# Altium PCB apt_battery_bms.PcbDoc (part 1 of 3)
Units mm, origin at the board's own origin, x right, y up, seen from the top; angles counter-clockwise.
Board outline 304.8 x 243.84 mm, 2 copper layers (Top Layer, Bottom Layer), stack 1.57 mm thick; 324 components, 194 nets, 1522 pads, 4 vias.
Unrouted connection lines stored in the file: 482.
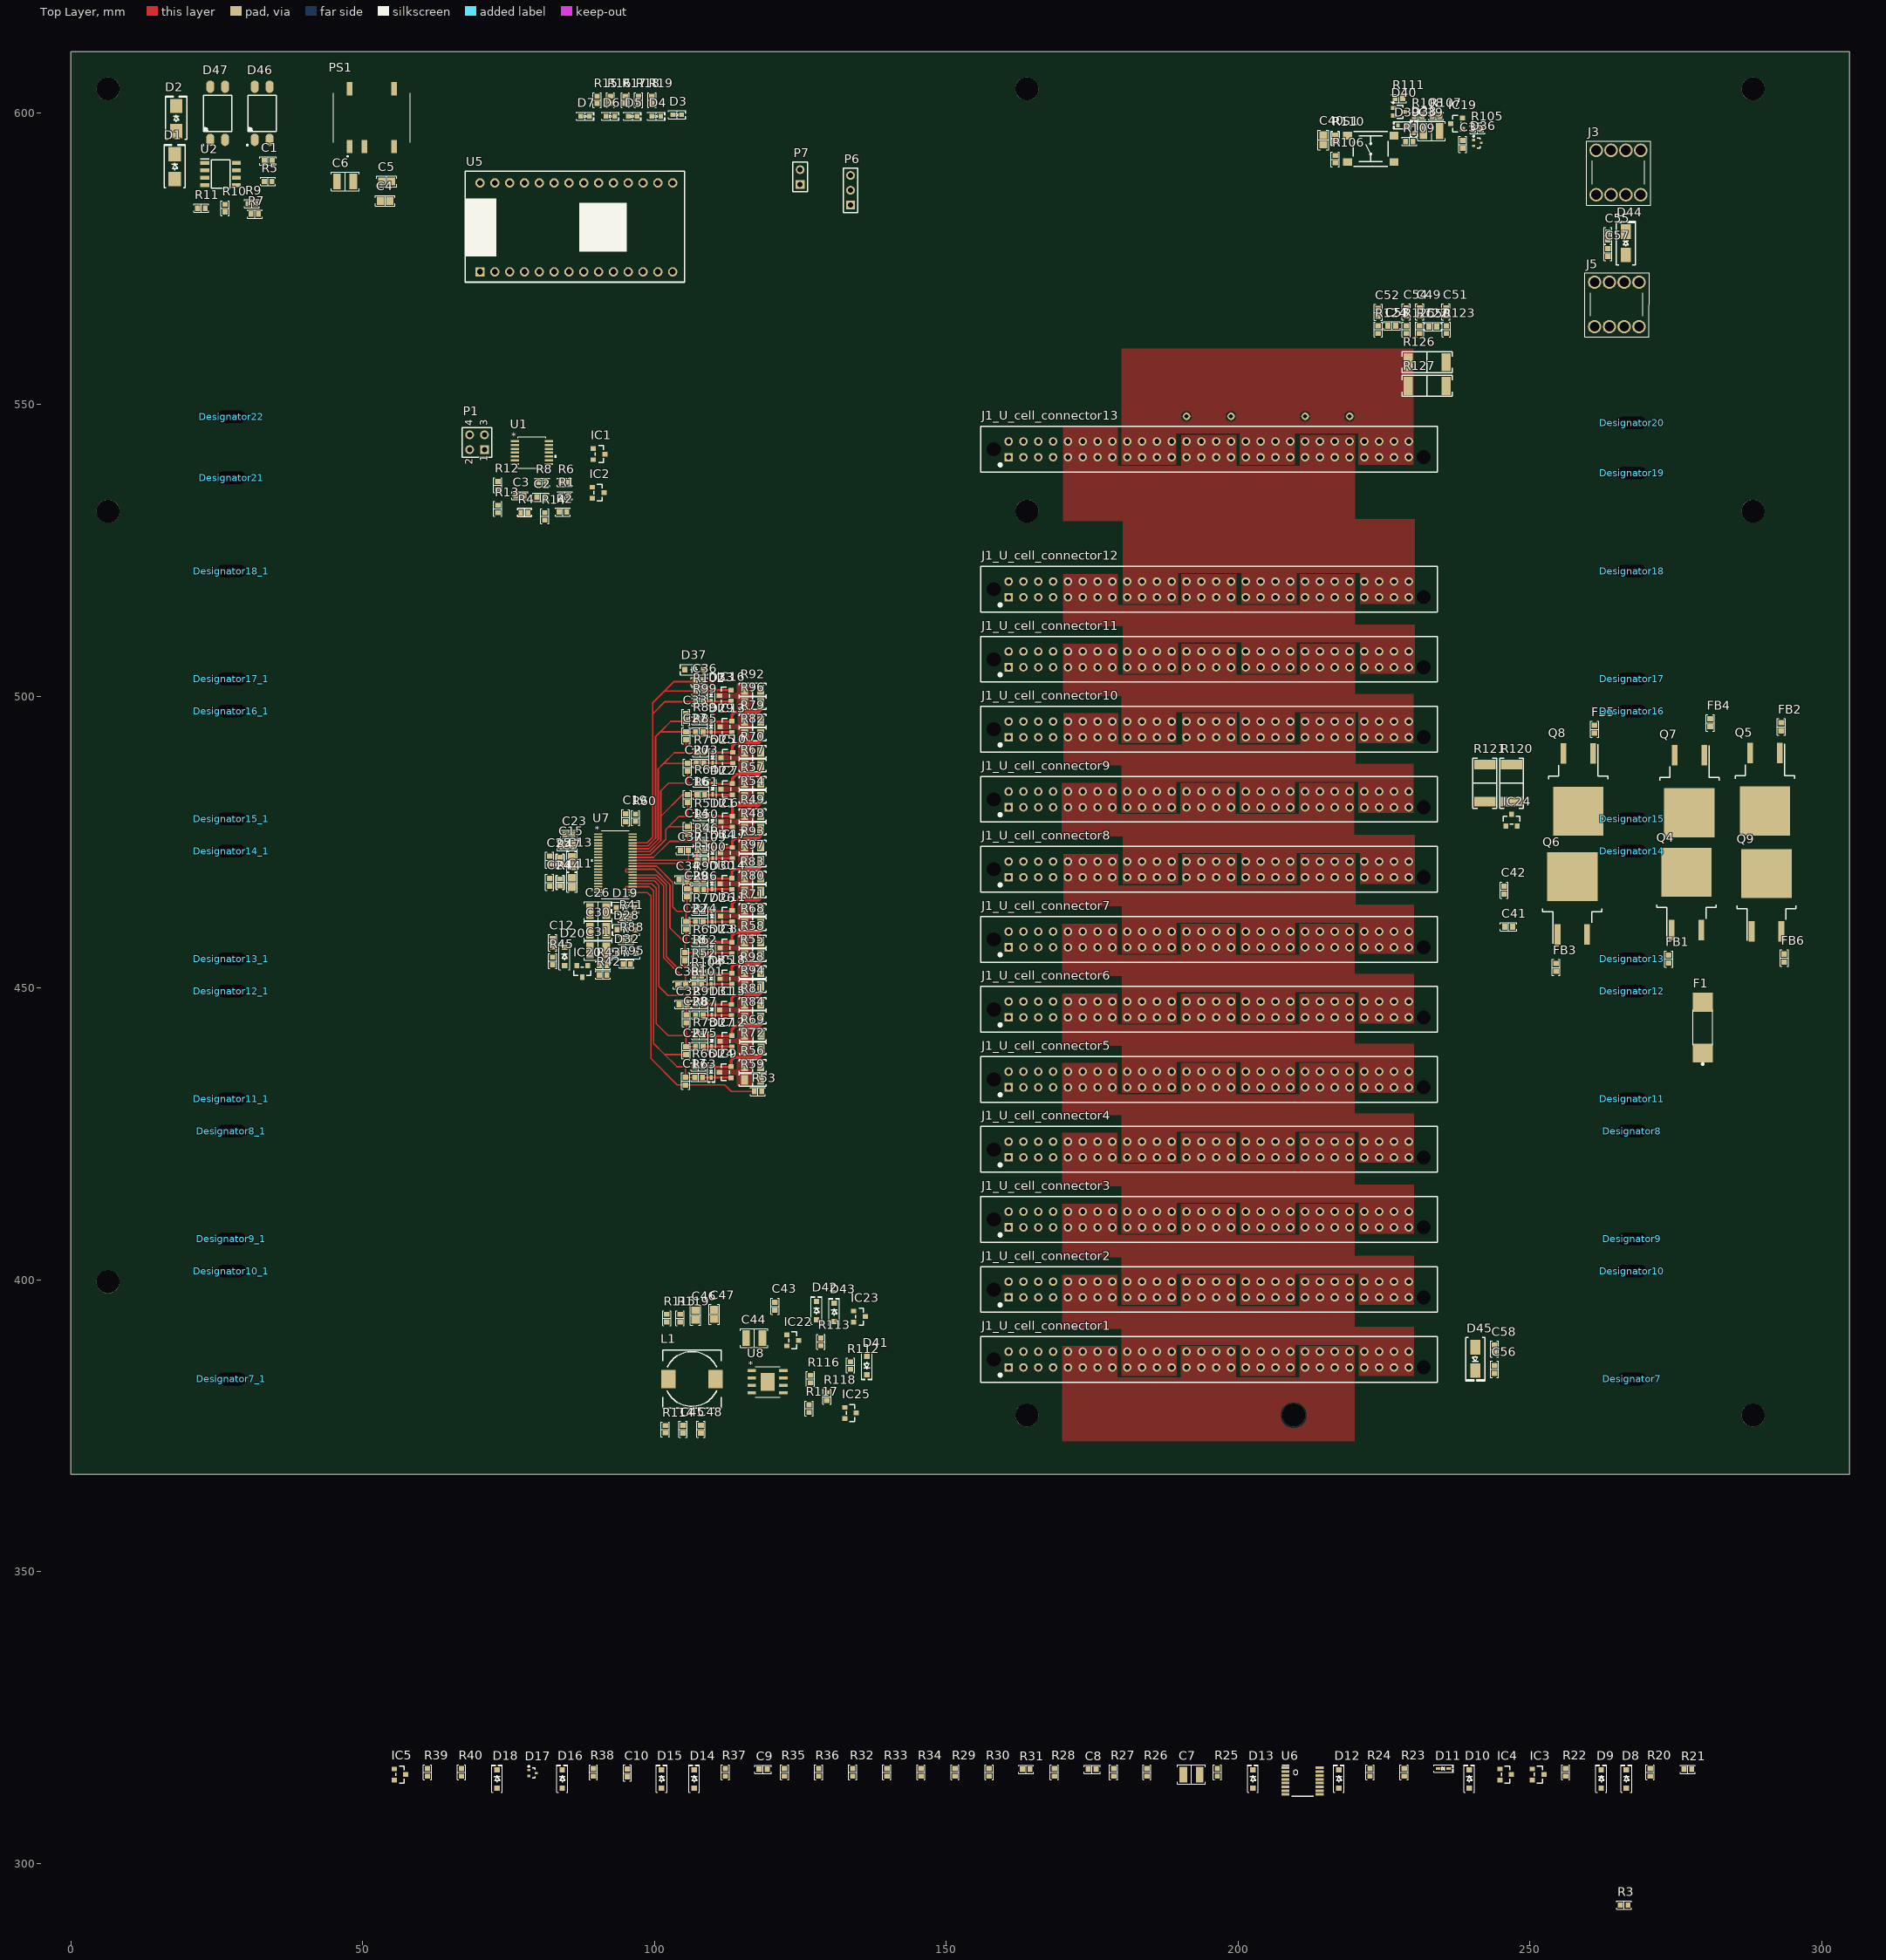
[diagram p0: Top Layer view]
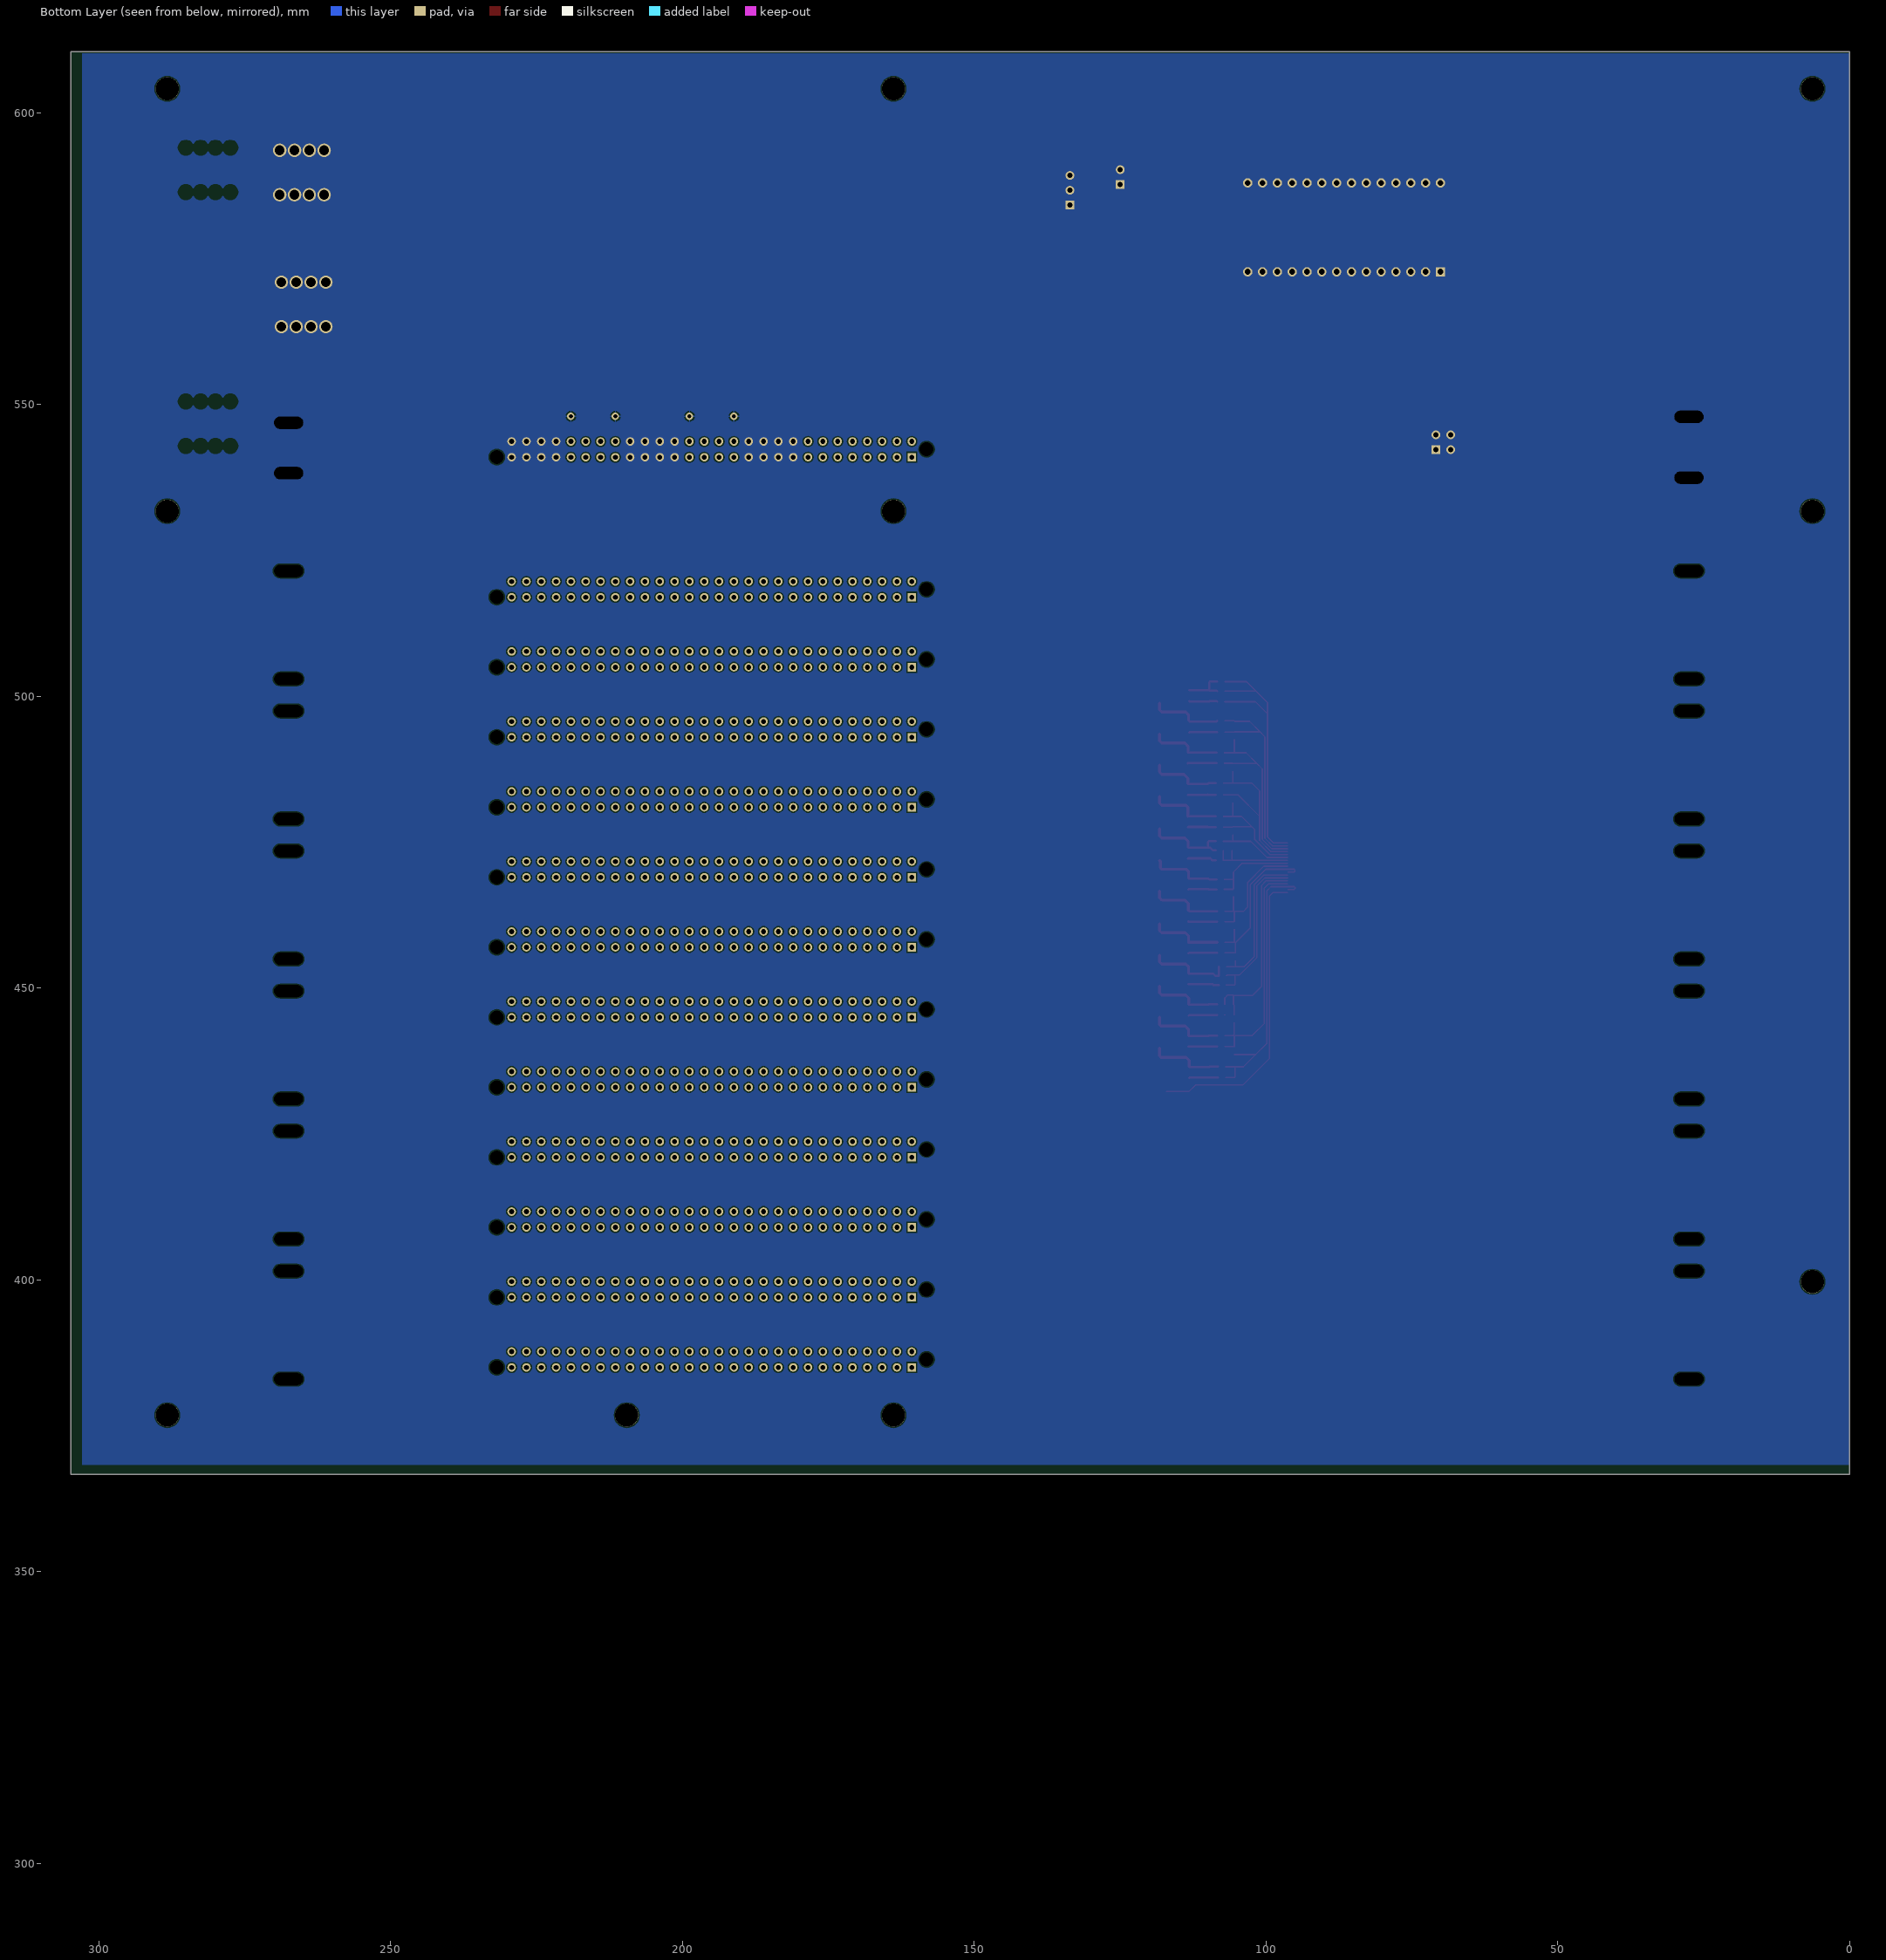
[diagram p1: Bottom Layer view, seen from below]

## Layer stack, top to bottom
Top Solder: solder mask 0.0127, Solder Resist, Dk 3.8
Top Layer: signal copper 0.035
Dielectric: core 1.5, FR-4, Dk 4.5
Bottom Layer: signal copper 0.035
Bottom Solder: solder mask 0.0127, Solder Resist, Dk 3.8

## Board outline
0,610.489 0,366.649 304.8,366.649 304.8,610.489

## Design rules (kind name [scope] priority, off if disabled: settings)
Clearance "Clearance Bottom Layer" [OnLayer('Bottom Layer')] p1: gap=0.203 ignorepadtopadclearanceinfootprint=TRUE except(0.254: Arc-Text Track-Text SMDPad-Text THPad-Text Via-Text Fill-Text Poly-Text Region-Text Text-Text)
Clearance "Clearance Top Layer" [OnLayer('Top Layer')] p2: gap=0.203 ignorepadtopadclearanceinfootprint=TRUE except(0.254: Arc-Text Track-Text SMDPad-Text THPad-Text Via-Text Fill-Text Poly-Text Region-Text Text-Text)
Clearance [All] p3: gap=0.2 ignorepadtopadclearanceinfootprint=FALSE except(0.089: Arc-Arc Arc-Track Arc-SMDPad Track-Track Track-SMDPad SMDPad-SMDPad; 0.127: Arc-Via Track-Via SMDPad-Via THPad-Via Via-Via; 0.254: Arc-Text Track-Text SMDPad-Text THPad-Text Via-Text Fill-Text Poly-Text Region-Text Text-Text)
MinimumAnnularRing [All] p1: minimumring=0.2
PlaneConnect [All] p1: planeconnectstyle=Direct reliefexpansion=0.508 reliefentries=4 reliefconductorwidth=0.254 reliefairgap=0.254
PolygonConnect [All] p1: thpad.connectstyle=Direct thpad.reliefconductorwidth=0.254 thpad.reliefentries=4 thpad.polygonreliefangle="90 Angle" thpad.airgapwidth=0.254 smdpad.connectstyle=Direct smdpad.reliefconductorwidth=0.254 smdpad.reliefentries=4 smdpad.polygonreliefangle="90 Angle" smdpad.airgapwidth=0.254 via.connectstyle=Relief via.reliefconductorwidth=0.254 via.reliefentries=4 via.polygonreliefangle="90 Angle" via.airgapwidth=0.254
RoomDefinition "U_FET Driver" [InComponentClass('U_FET Driver')] p1: confinementstyle=ConfineIn formatcopy=TRUE lockcomponents=FALSE outline 54.483,311.038 280.035,311.038 280.035,319.674 54.483,319.674
RoomDefinition "U_Control and Gauge" [InComponentClass('U_Control and Gauge')] p2: confinementstyle=ConfineIn formatcopy=TRUE lockcomponents=FALSE outline 53.975,255.769 273.05,255.769 273.05,296.409 53.975,296.409
RoomDefinition top [InComponentClass('top')] p3: confinementstyle=ConfineIn formatcopy=TRUE lockcomponents=FALSE outline 53.975,196.382 480.187,196.382 480.187,215.686 53.975,215.686
RoutingVias [All] p1: holewidth=0.711 width=1.27 viastyle="Through Hole" minholewidth=0.711 minwidth=1.27 maxholewidth=0.711 maxwidth=1.27
SolderMaskExpansion [All] p1: expansion=0.102
Width [All] p1: maxlimit=7.62 minlimit=0.254 preferedwidth=0.254 minimp=50.000000 maximp=50.000000 favimp=50.000000
29 further rules are at their usual default settings.

## Classes and differential pairs
channel class cell_connector: U_cell_connector1 U_cell_connector2 U_cell_connector3 U_cell_connector4 U_cell_connector5 U_cell_connector6 U_cell_connector7 U_cell_connector8 U_cell_connector9 U_cell_connector10 U_cell_connector11 U_cell_connector12 U_cell_connector13
component class U_cell_connector13: J1_U_cell_connector13
component class U_cell_connector12: J1_U_cell_connector12
component class U_cell_connector11: J1_U_cell_connector11
component class U_cell_connector10: J1_U_cell_connector10
component class U_cell_connector9: J1_U_cell_connector9
component class U_cell_connector8: J1_U_cell_connector8
component class U_cell_connector7: J1_U_cell_connector7
component class U_cell_connector6: J1_U_cell_connector6
component class U_cell_connector5: J1_U_cell_connector5
component class U_cell_connector4: J1_U_cell_connector4
component class U_cell_connector3: J1_U_cell_connector3
component class U_cell_connector2: J1_U_cell_connector2
component class U_cell_connector1: J1_U_cell_connector1
component class "U_Monitoring & CB": C11 C12 C13 C14 C15 C16 C17 C18 C19 C20 C21 C22 C23 C24 C25 C26 C27 C28 C29 C30 C31 C32 C33 C34 C35 C36 C37 C38 C39 C40 D19 D20 D21 D22 D23 D24 D25 D26 D27 D28 D29 D30 D31 D32 D33 D34 D35 D36 D37 D38 D39 D40 IC6 IC7 IC8 IC9 IC10 IC11 IC12 IC13 IC14 IC15 IC16 IC17 IC18 IC19 IC20 R41 R42 R43 R44 R45 R46 R47 R48 R49 R50 R51 R52 R53 R54 R55 R56 R57 R58 R59 R60 R61 R62 R63 R64 R65 R66 R67 R68 R69 R70 R71 R72 R73 R74 R75 R76 R77 R78 R79 R80 R81 R82 R83 R84 R85 R86 R87 R88 R89 R90 R91 R92 R93 R94 R95 R96 R97 R98 R99 R100 R101 R102 R103 R104 R105 R106 R107 R108 R109 R110 R111 S1 U7
component class "U_FET Driver": C7 C8 C9 C10 D8 D9 D10 D11 D12 D13 D14 D15 D16 D17 D18 IC3 IC4 IC5 R20 R21 R22 R23 R24 R25 R26 R27 R28 R29 R30 R31 R32 R33 R34 R35 R36 R37 R38 R39 R40 U6
component class "U_Control and Gauge": C1 C2 C3 C4 C5 C6 D1 D2 D3 D4 D5 D6 D7 D46 D47 IC1 IC2 P1 PS1 R1 R2 R3 R4 R5 R6 R7 R8 R9 R10 R11 R12 R13 R14 R15 R16 R17 R18 R19 U1 U2 U3 U4 U5
component class top: C41 C42 C43 C44 C45 C46 C47 C48 C49 C50 C51 C52 C53 C54 C55 C56 C57 C58 D41 D42 D43 D44 D45 F1 FB1 FB2 FB3 FB4 FB5 FB6 IC22 IC23 IC24 IC25 J3 J5 L1 P6 P7 Q4 Q5 Q6 Q7 Q8 Q9 R112 R113 R114 R115 R116 R117 R118 R119 R120 R121 R122 R123 R124 R125 R126 R127 U8

## Components (designator, comment, footprint, x,y, rotation, side; value= is the part's Value field where it differs from the comment)
C1 "0.1µF" "CAP 0603_1608" 33.782,591.784 r0 top
C2 "0.1µF" "CAP 0603_1608" 80.518,534.162 r0 top
C3 "1µF" "CAP 0603_1608" 76.962,534.416 r0 top
C4 "4.7µF" "CAP 0805_2012" 53.848,584.962 r0 top
C5 "4.7µF" "CAP 0805_2012" 54.102,588.264 r0 top
C6 "10µF" "CAP 1210_3225 - 2.8MM" 46.99,588.264 r0 top
C7 "2.2µF" "CAP 1210_3225 - 2.5MM" 192.024,315.229 r0 top
C8 "0.1µF" "CAP 0603_1608" 175.006,316.118 r0 top
C9 "2200pF" "CAP 0603_1608" 118.618,316.118 r0 top
C10 "220pF" "CAP 0603_1608" 95.377,315.483 r90 top
C11 "4700pF" "CAP 0805_2012" 85.852,468.122 r270 top
C12 "1µF" "CAP 0603_1608" 82.55,457.784 r270 top
C13 "4700pF" "CAP 0805_2012" 85.852,471.678 r270 top
C14 "1µF" "CAP 0603_1608" 105.664,477.012 r270 top
C15 "4.7µF" "CAP 0805_2012" 85.052,474.472 r0 top
C16 "1µF" "CAP 0603_1608" 105.664,482.462 r270 top
C17 "1µF" "CAP 0603_1608" 105.323,434.086 r270 top
C18 "1µF" "CAP 0603_1608" 105.232,455.397 r270 top
C19 "220pF" "CAP 0603_1608" 95.072,479.211 r270 top
C20 "1µF" "CAP 0603_1608" 105.664,487.847 r270 top
C21 "1µF" "CAP 0603_1608" 105.41,439.295 r270 top
C22 "1µF" "CAP 0603_1608" 105.41,460.746 r270 top
C23 "1µF" "CAP 0603_1608" 85.344,476.337 r0 top
C24 "1µF" "CAP 0603_1608" 82.042,468.122 r270 top
C25 "1µF" "CAP 0603_1608" 82.042,471.932 r270 top
C26 "10µF" "CAP 1210_3225 - 2.8MM" 90.344,463.205 r0 top
C27 "1µF" "CAP 0603_1608" 105.41,493.268 r270 top
C28 "1µF" "CAP 0603_1608" 105.459,444.754 r270 top
C29 "1µF" "CAP 0603_1608" 105.577,466.344 r270 top
C30 "10µF" "CAP 1210_3225 - 2.8MM" 90.344,459.828 r0 top
C31 "10µF" "CAP 1210_3225 - 2.8MM" 90.344,456.449 r0 top
C32 "1µF" "CAP 0603_1608" 104.902,447.218 r0 top
C33 "1µF" "CAP 0603_1608" 105.385,496.392 r270 top
C34 "1µF" "CAP 0603_1608" 104.902,468.63 r0 top
C35 "0.1µF" "CAP 0603_1608" 238.506,594.614 r270 top
C36 "1µF" "CAP 0603_1608" 107.696,502.539 r180 top
C37 "1µF" "CAP 0603_1608" 105.156,473.623 r0 top
C38 "1µF" "CAP 0603_1608" 104.648,450.545 r0 top
C39 "2.2µF" "CAP 1210_3225 - 2.5MM" 233.172,596.9 r180 top
C40 "4700pF" "CAP 0805_2012" 214.63,595.376 r90 top
C41 "0.1µF" "CAP 0603_1608" 246.38,460.502 r0 top
C42 "0.1µF" "CAP 0603_1608" 245.618,466.814 r90 top
C43 "2200pF" "CAP 0603_1608" 120.65,395.478 r90 top
C44 "4.7µF" "CAP 1210_3225 - 2.2MM" 117.094,390.032 r0 top
C45 "3300pF" "CAP 0603_1608" 104.902,374.396 r90 top
C46 "4.7µF" "CAP 0805_2012" 107.046,393.954 r90 top
C47 "4.7µF" "CAP 0805_2012" 110.236,394.096 r90 top
C48 "56pF" "CAP 0603_1608" 107.95,374.396 r90 top
C49 "0.1µF" "CAP 0603_1608" 231.14,565.912 r270 top
C50 "0.1µF" "CAP 0603_1608" 233.426,563.372 r0 top
C51 "0.1µF" "CAP 0603_1608" 235.66,565.912 r90 top
C52 "0.1µF" "CAP 0603_1608" 224.028,565.825 r270 top
C53 "0.1µF" "CAP 0603_1608" 226.401,563.514 r0 top
C54 "0.1µF" "CAP 0603_1608" 228.854,565.912 r90 top
C55 "0.1µF" "CAP 0603_1608" 263.398,578.953 r90 top
C56 "0.1µF" "CAP 0603_1608" 243.982,384.668 r270 top
C57 "0.1µF" "CAP 0603_1608" 263.398,576.072 r90 top
C58 "0.1µF" "CAP 0603_1608" 243.982,388.137 r270 top
D1 "#NAME?" "DO214AA SMB" 17.78,590.804 r90 top
D2 "#NAME?" "DO214AA SMB" 18.034,599.05 r90 top
D3 "Red" "LED 0603_1608 RED" 103.886,599.694 r0 top
D4 "Red" "LED 0603_1608 RED" 100.33,599.44 r0 top
D5 "Red" "LED 0603_1608 RED" 96.244,599.44 r0 top
D6 "Red" "LED 0603_1608 RED" 92.456,599.44 r0 top
D7 "Red" "LED 0603_1608 RED" 88.138,599.44 r0 top
D8 "#NAME?" SOD-123 266.573,314.467 r90 top
D9 "#NAME?" SOD-123 262.255,314.467 r90 top
D10 "#NAME?" SOD-123 239.649,314.467 r90 top
D11 "#NAME?" SOD523F 235.204,316.245 r0 top
D12 "#NAME?" SOD-123 217.297,314.467 r90 top
D13 "#NAME?" SOD-123 202.565,314.467 r90 top
D14 "#NAME?" SOD-123 106.807,314.467 r90 top
D15 "#NAME?" SOD-123 101.219,314.467 r90 top
D16 "#NAME?" SOD-123 84.201,314.467 r90 top
D17 "#NAME?" "DIODES SOT-523" 79.121,315.483 r0 top
D18 "#NAME?" SOD-123 73.025,314.467 r90 top
D19 "#NAME?" SOD-123 95.021,463.815 r180 top
D20 "#NAME?" SOD-123 84.582,455.422 r90 top
D21 "#NAME?" SOD523F 109.971,478.536 r270 top
D22 "#NAME?" SOD523F 109.971,484.124 r270 top
D23 "#NAME?" SOD523F 109.817,456.946 r270 top
D24 "#NAME?" SOD523F 109.728,435.61 r270 top
D25 "#NAME?" SOD523F 109.982,489.458 r270 top
D26 "#NAME?" SOD523F 109.855,462.28 r270 top
D27 "#NAME?" SOD523F 109.817,440.919 r270 top
D28 "#NAME?" SOD-123 95.182,460.005 r180 top
D29 "#NAME?" SOD523F 109.728,494.792 r270 top
D30 "#NAME?" SOD523F 109.855,467.868 r270 top
D31 "#NAME?" SOD523F 109.83,446.303 r270 top
D32 "#NAME?" SOD-123 95.25,455.966 r180 top
D33 "#NAME?" SOD523F 109.728,500.126 r270 top
D34 "#NAME?" SOD523F 109.971,473.153 r270 top
D35 "#NAME?" SOD523F 109.717,451.612 r270 top
D36 "#NAME?" "DIODES SOT-523" 241.046,594.868 r0 top
D37 "#NAME?" SOD-123 106.807,504.571 r180 top
D38 "#NAME?" SOD-523 230.124,597.22 r90 top
D39 "#NAME?" SOD-523 228.092,597.893 r180 top
D40 "#NAME?" "DIODES SOT-323-3" 227.584,600.202 r0 top
D41 "MMSZ5246B-7-F" SOD-123 136.398,385.318 r270 top
D42 "MBR0520LT1G" SOD-123 127.762,394.716 r90 top
D43 "MBR0520LT1G" SOD-123 130.81,394.462 r90 top
D44 "SMAJ60A-13-F" "DO214AC SMA" 266.446,577.651 r90 top
D45 "SMAJ60A-13-F" "DO214AC SMA" 240.68,386.446 r270 top
D46 "#NAME?" "LITEON LTV-817" 32.766,599.948 r90 top
D47 "#NAME?" "LITEON LTV-817" 25.146,599.948 r90 top
Designator7 "Comment" ZIP_TIE_HOLE#1 94.615,379.476 r0 top
Designator7_1 "Comment" ZIP_TIE_HOLE#2 27.5,378.936 r0 top
Designator8 "Comment" ZIP_TIE_HOLE#3 53.086,389.128 r0 top
Designator8_1 "Comment" ZIP_TIE_HOLE#4 -187.13,389.128 r0 top
Designator9 "Comment" ZIP_TIE_HOLE#5 268.097,376.301 r0 top
Designator9_1 "Comment" ZIP_TIE_HOLE#6 27.5,375.761 r0 top
Designator10 "Comment" ZIP_TIE_HOLE#7 268.097,375.539 r0 top
Designator10_1 "Comment" ZIP_TIE_HOLE#8 27.5,374.999 r0 top
Designator11 "Comment" ZIP_TIE_HOLE#9 267.843,430.784 r0 top
Designator11_1 "Comment" ZIP_TIE_HOLE#10 27.5,430.244 r0 top
Designator12 "Comment" ZIP_TIE_HOLE#11 267.716,449.961 r0 top
Designator12_1 "Comment" ZIP_TIE_HOLE#12 27.5,449.421 r0 top
Designator13 "Comment" ZIP_TIE_HOLE#13 267.589,455.168 r0 top
Designator13_1 "Comment" ZIP_TIE_HOLE#14 27.5,454.628 r0 top
Designator14 "Comment" ZIP_TIE_HOLE#15 268.224,474.599 r0 top
Designator14_1 "Comment" ZIP_TIE_HOLE#16 27.5,474.059 r0 top
Designator15 "Comment" ZIP_TIE_HOLE#17 267.5,479.044 r0 top
Designator15_1 "Comment" ZIP_TIE_HOLE#18 27.5,478.504 r0 top